# Altium PCB HIVE_BOARD_PCB ASCII REV Project_PCB_Rev.Project_SCH_Rev.PcbDoc (part 8 of 9) (continued)
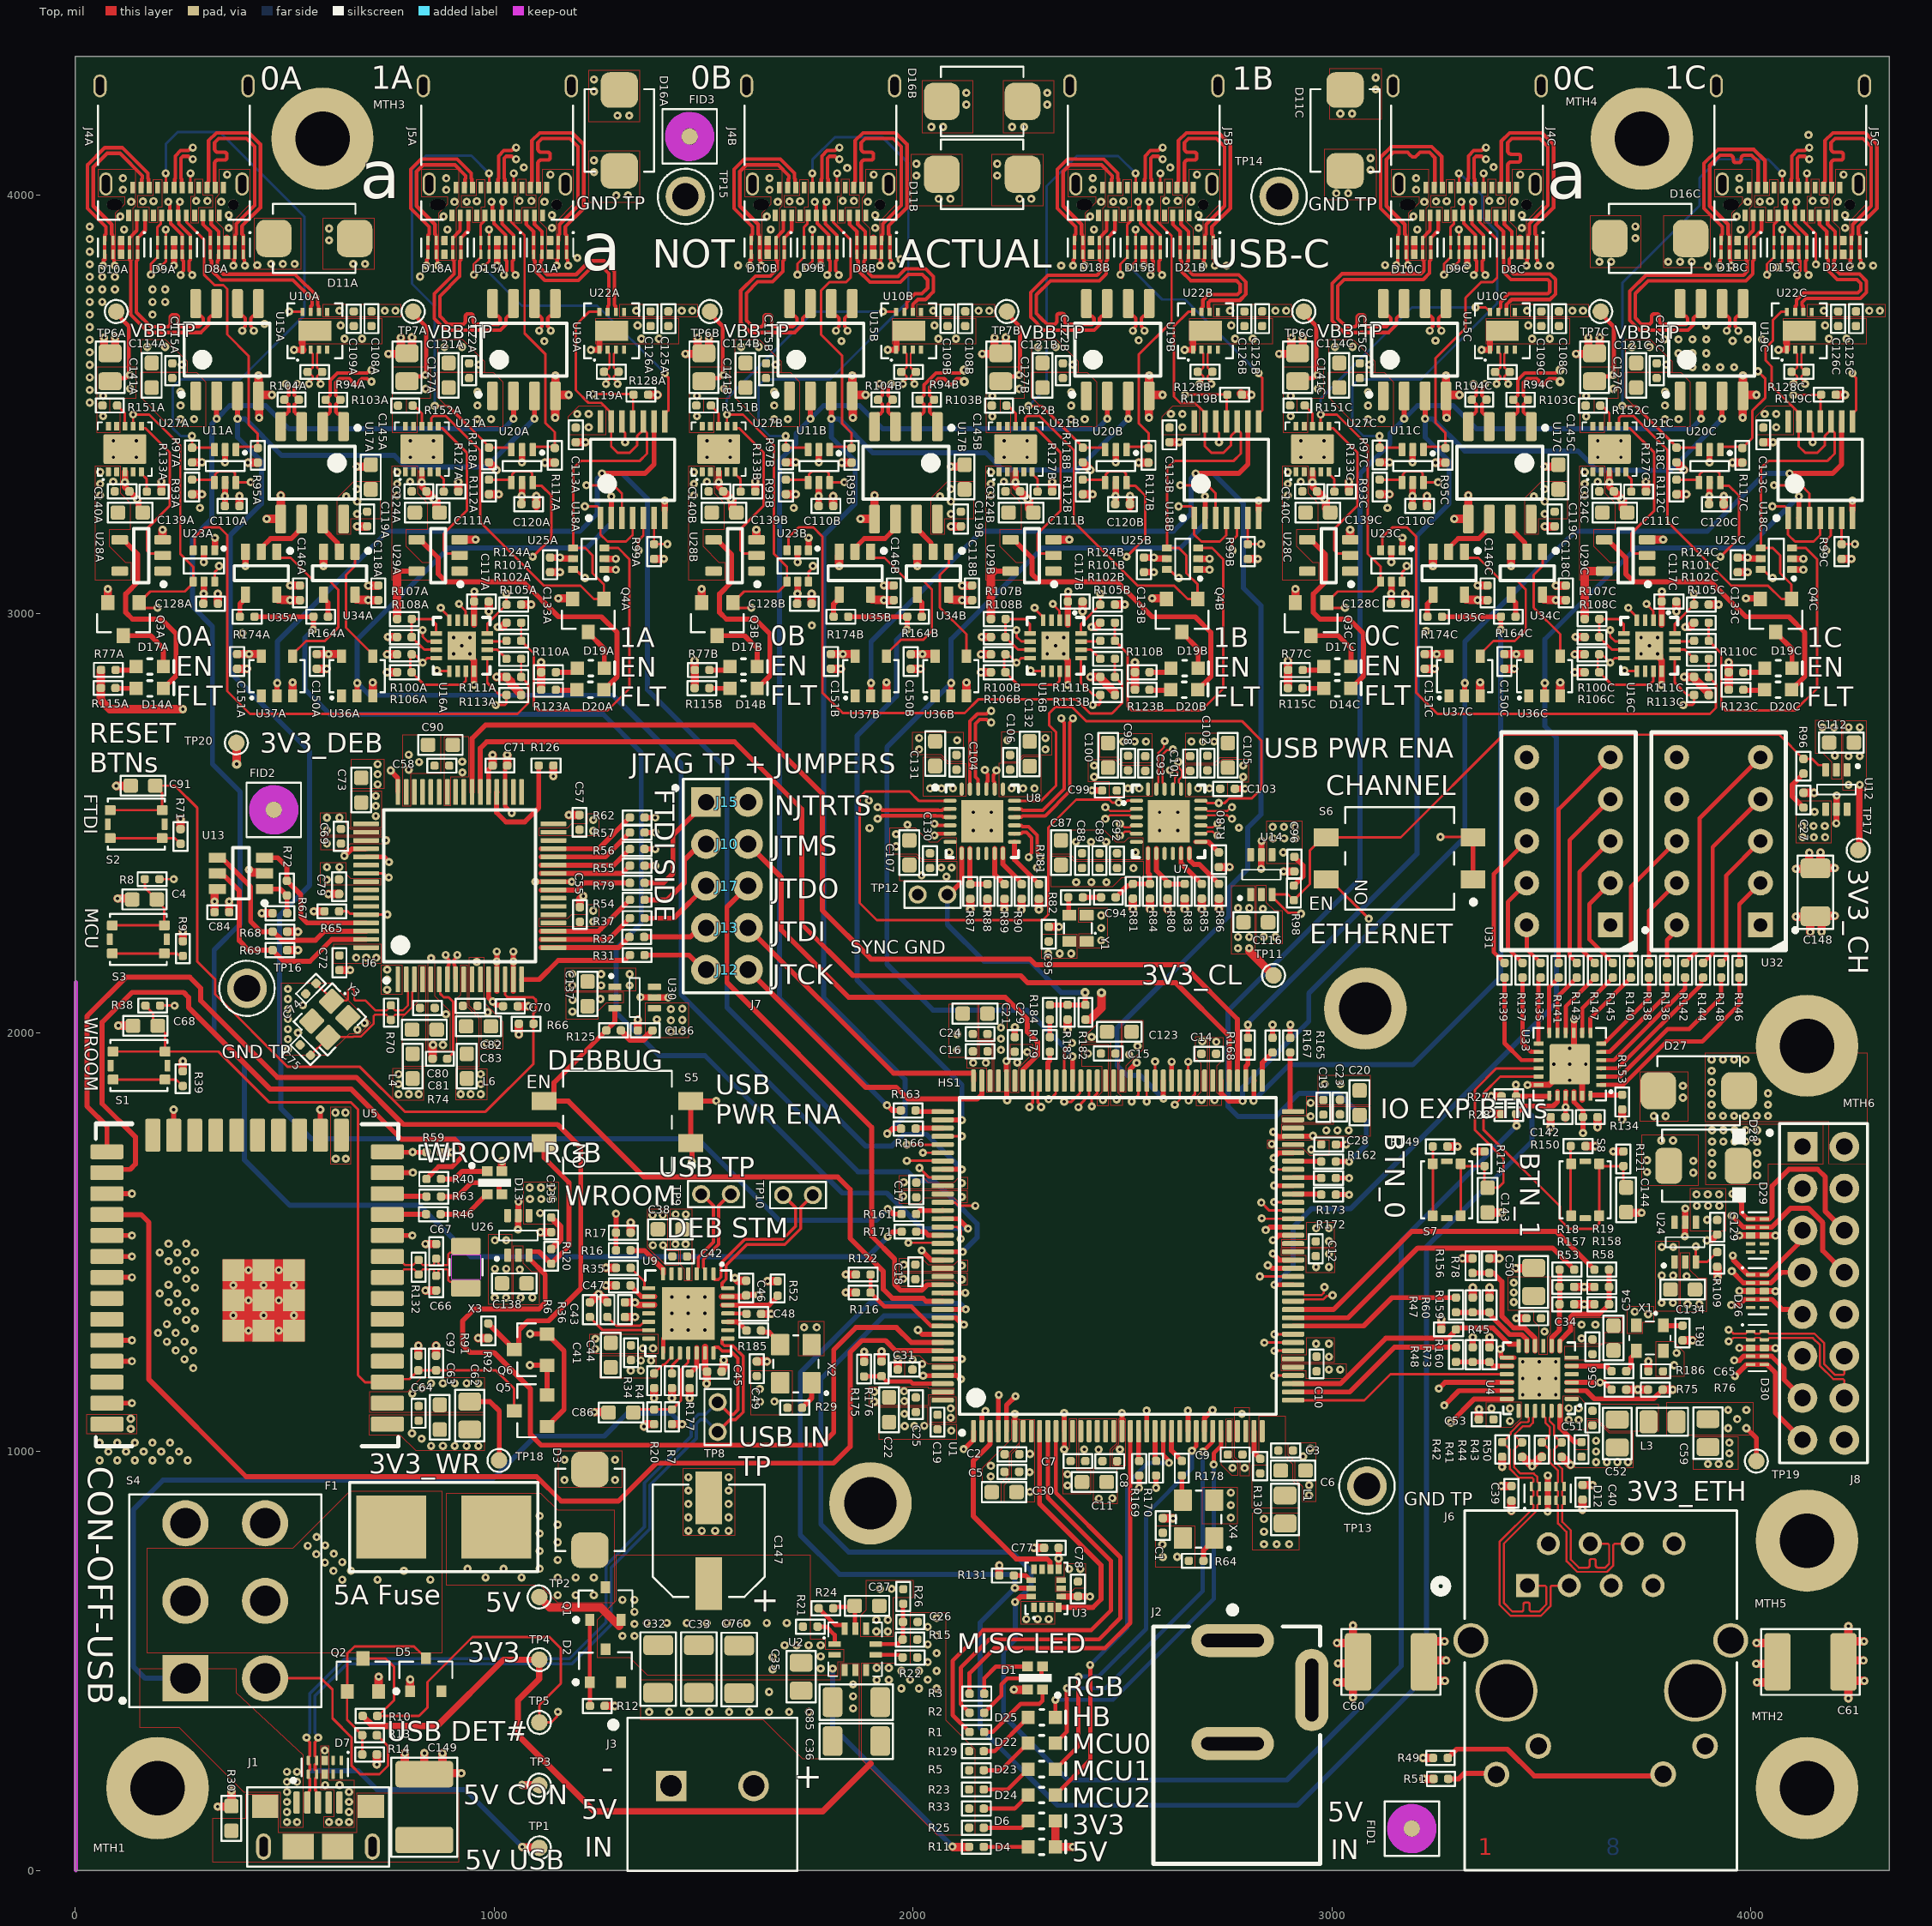
[diagram p0: Top view]
## Nets (pads, with @x,y where several pads share a name; then routed paths per layer and width w, separated by ;. In a path a pad name is that pad's centre, name@x,y a point inside that pad or via, vN(x,y) a via of type N, cw(c..) or ccw(c..) an arc to the next point about the centre after c; other vN are vias at no path point) (continued)
SYNC_1B_P: D18B.4 D18B.7 J5B.B2 U8.17 | length 4191.7
  Top w8.5: U8.17@2242.28,2533.98 2242.54,2533.72 2258.67,2533.72 2261.51,2530.88 2310.01,2530.88 2361.12,2582 2361.12,2739.82 2354.04,2746.9 v1(2354.04,2750.46) ; v1(2409.5,3830.92) 2408.3,3832.12 2408.3,3844.68 2405.51,3847.46 2405.51,3857.59 D18B.4@2405.51,3890.45 2405.2,3890.78 2405.2,3903.49 2402.42,3906.27 2402.42,3929.07 2358.36,3973.13 2358.36,4055.28 2374.41,4071.33 2449.69,4071.33 2475.53,4045.49 2475.53,4038.45 2474.09,4037.01 2474.09,4018.98 J5B.B2@2472.44,4017.33
  Signal_1 w5: v1(2354.04,2750.46) 2354.04,2753.14 2362.62,2761.71 2362.62,2775.11 2348.64,2789.09 2232.72,2789.09 2199.49,2822.32 2199.49,2936.86 2142.88,2993.47 2142.88,2995.69 2142.88,3035.23 cw(c2162.08,3035.23) 2162.08,3054.43 2322.22,3054.43 ccw(c2322.22,3063.13) 2330.92,3063.13 2330.92,3074.73 ccw(c2322.22,3074.73) 2322.22,3083.43 2161.03,3083.43 cw(c2161.03,3102.63) 2141.83,3102.63 2141.83,3114.23 cw(c2161.03,3114.23) 2161.03,3133.43 2322.22,3133.43 ccw(c2322.22,3142.13) 2330.92,3142.13 2330.92,3153.73 ccw(c2322.22,3153.73) 2322.22,3162.43 2161.03,3162.43 cw(c2161.03,3181.63) 2141.83,3181.63 2141.83,3193.23 cw(c2161.03,3193.23) 2161.03,3212.43 2322.22,3212.43 ccw(c2322.22,3221.13) 2330.92,3221.13 2330.92,3232.73 ccw(c2322.22,3232.73) 2322.22,3241.43 2162.08,3241.43 cw(c2162.08,3260.63) 2142.88,3260.63 2142.88,3268.38 2142.88,3408.97 2178.31,3444.4 2272.54,3444.4 2310.15,3444.4 cw(c2310.15,3425.2) 2329.35,3425.2 2329.35,3374.81 ccw(c2338.05,3374.81) 2338.05,3366.11 2349.65,3366.11 ccw(c2349.65,3374.81) 2358.35,3374.81 2358.35,3425.98 cw(c2377.55,3425.98) 2377.55,3445.18 2389.15,3445.18 cw(c2389.15,3425.98) 2408.35,3425.98 2408.35,3378.54 ccw(c2417.05,3378.54) 2417.05,3369.84 2428.65,3369.84 ccw(c2428.65,3378.54) 2437.35,3378.54 2437.35,3425.2 cw(c2456.55,3425.2) 2456.55,3444.4 2464.3,3444.4 2470.14,3444.4 2484.59,3458.85 2484.59,3494.7 2466.96,3512.33 2466.96,3604.26 2466.96,3612.01 ccw(c2460.06,3612.01) 2460.06,3618.91 2381.59,3618.91 cw(c2381.59,3636.31) 2364.19,3636.31 2364.19,3645.51 cw(c2381.59,3645.51) 2381.59,3662.91 2464.3,3662.91 ccw(c2464.3,3669.81) 2471.2,3669.81 2471.2,3679.01 ccw(c2464.3,3679.01) 2464.3,3685.91 2381.59,3685.91 cw(c2381.59,3703.31) 2364.19,3703.31 2364.19,3712.51 cw(c2381.59,3712.51) 2381.59,3729.91 2460.06,3729.91 ccw(c2460.06,3736.81) 2466.96,3736.81 2466.96,3759.51 2466.96,3764.52 2466.96,3767.02 ccw(c2459.46,3767.02) 2459.46,3774.52 2417.07,3774.52 cw(c2417.07,3782.02) 2409.57,3782.02 2409.57,3792.02 cw(c2417.07,3792.02) 2417.07,3799.52 2459.46,3799.52 ccw(c2459.46,3807.02) 2466.96,3807.02 2466.96,3821.06 2466.96,3836.92 2443.15,3860.72 2414.77,3860.72 2400.92,3846.87 2400.92,3841.19 2409.5,3832.62 v1(2409.5,3830.92)
SYNC_1C_N: D18C.5 D18C.6 J5C.B3 U8.14 | length 4191.5
  Top w8.5: U8.14@2242.28,2474.92 2242.54,2475.18 2258.67,2475.18 2261.51,2478.01 2270.78,2478.01 2283.29,2465.5 2283.29,2429.43 2276.21,2422.35 v1(2276.21,2418.79) ; v1(3925.16,3830.91) 3926.35,3832.11 3926.35,3844.67 3929.14,3847.45 D18C.6@3929.13,3857.58 D18C.5@3929.13,3890.45 3929.45,3890.77 3929.45,3903.48 3932.23,3906.26 3932.23,3923.47 3888.17,3967.53 3888.17,4074.81 3921.43,4108.07 4007.21,4108.07 4033.78,4081.51 4033.78,4018.97 J5C.B3@4035.43,4017.32
  Signal_1 w5: v1(2276.21,2418.79) 2276.21,2421.47 2284.79,2430.05 2284.79,2440.48 2296.86,2452.55 2333.86,2452.55 2359.49,2426.92 2359.49,2358.51 2393.98,2324.02 2456.59,2324.02 2515.6,2265 2963.4,2265 3307.15,2608.75 3849.75,2608.75 4270,3029 4270,3571.24 4212.29,3628.95 4159.02,3628.95 4141.92,3646.04 4056.83,3646.04 4032.46,3621.68 3940.49,3621.68 3914.47,3647.69 3914.47,3756.04 3933.73,3775.3 3933.73,3820.64 3925.16,3829.22 v1(3925.16,3830.91)
SYNC_1C_P: D18C.4 D18C.7 J5C.B2 U8.15 | length 4191.5
  Top w8.5: U8.15@2242.28,2494.61 2242.54,2494.35 2258.67,2494.35 2261.51,2491.51 2276.37,2491.51 2296.79,2471.1 2296.79,2429.43 2303.87,2422.35 v1(2303.87,2418.79) ; v1(3952.81,3830.91) 3951.61,3832.11 3951.61,3844.67 3948.83,3847.45 D18C.7@3948.82,3857.58 D18C.4@3948.82,3890.45 3948.51,3890.77 3948.51,3903.48 3945.73,3906.26 3945.73,3929.06 3901.67,3973.12 3901.67,4069.22 3927.03,4094.57 3949.78,4094.57 cw(c3949.78,4086.07) 3958.28,4086.07 3958.28,4082.31 ccw(c3963.83,4082.31) 3963.83,4076.76 3971.23,4076.76 ccw(c3971.23,4082.31) 3976.78,4082.31 3976.78,4086.07 cw(c3985.28,4086.07) 3985.28,4094.57 4001.62,4094.57 4017.4,4078.79 4017.4,4018.97 J5C.B2@4015.75,4017.32
  Signal_1 w5: v1(2303.87,2418.79) 2303.87,2421.47 2295.29,2430.05 2295.29,2436.13 2301.21,2442.05 2329.51,2442.05 2348.99,2422.57 2348.99,2354.16 2389.63,2313.52 2452.24,2313.52 2511.26,2254.5 2967.75,2254.5 3311.5,2598.25 3854.1,2598.25 4280.5,3024.65 4280.5,3575.59 4216.64,3639.45 4163.37,3639.45 4146.27,3656.54 4052.48,3656.54 4028.11,3632.18 3944.84,3632.18 3924.97,3652.04 3924.97,3751.69 3944.23,3770.95 3944.23,3820.64 3952.81,3829.22 v1(3952.81,3830.91)
USB_D_N: D7.5 D7.6 J1.2 TP8.1 U9.21 | length 1975.8
  Top w7.5: v1(552.65,317.42) 552.65,313.59 560.22,306.01 560.22,273.34 557.13,270.25 557.13,263.06 D7.5@556.94,262.87 556.94,255.69 560.26,252.37 560.54,252.37 560.54,240.5 560.26,240.5 556.94,237.19 D7.6@556.94,230 557.13,229.81 557.13,222.63 560.54,219.22 560.54,190.98 558.34,188.79 558.34,166.32 J1.2@554.33,162.31 ; U9.21@1523.72,1235.33 1523.72,1246.15 1526.78,1249.21 1535.5,1249.21 1544.57,1240.14 1564.81,1240.14 1582.22,1222.73 1582.22,1099.6 1571.28,1088.66 1563.03,1088.66 TP8.1@1533.84,1117.85
  Signal_1 w5: v1(552.65,317.42) v1@560.47,317.42
  Bottom w7.5: v1(552.65,317.42) 552.65,321.25 560.22,328.82 560.22,336.51 560.22,394.16 560.22,422.33 643.54,505.65 1180.57,505.65 1267.22,592.3 1267.22,728.39 1359.13,820.3 1359.13,925.07 1470.5,1036.44 1470.5,1071.47 1487.84,1088.81 1504.81,1088.81 TP8.1@1533.84,1117.85
USB_D_P: D7.4 D7.7 J1.3 TP8.2 U9.22 | length 1978.6
  Top w7.5: J1.3@579.92,162.31 575.91,166.32 575.91,188.79 573.38,191.32 573.38,219.56 576.44,222.63 576.44,229.81 D7.7@576.63,230 576.63,237.19 573.31,240.5 573.04,240.5 573.04,252.37 573.31,252.37 576.63,255.69 D7.4@576.63,262.87 576.44,263.06 576.44,270.25 572.72,273.97 572.72,306.01 580.3,313.59 v1(580.3,317.42) ; TP8.2@1533.84,1046.98 1563.03,1076.16 1576.46,1076.16 1594.72,1094.42 1594.72,1227.91 1569.99,1252.64 1549.75,1252.64 1544.34,1258.05 1544.34,1266.77 1547.4,1269.83 U9.22@1558.22,1269.83
  Bottom w7.5: v1(580.3,317.42) 580.3,321.25 572.72,328.82 572.72,417.15 648.72,493.15 1185.75,493.15 1279.72,587.12 1279.72,723.21 1371.63,815.12 1371.63,919.89 1483,1031.26 1483,1047 1483,1066.3 1492.87,1076.16 1504.66,1076.16 TP8.2@1533.84,1046.98
USB_DEBUG_N: TP9.2 U6.7 U9.2 | length 1938.9
  Top w7.5: v1(884.66,2185.48) 884.66,2181.65 892.23,2174.08 892.23,2162.1 890.4,2160.27 890.4,2128.63 U6.7@888.64,2126.87 ; U9.2@1503.72,1424.33 1503.72,1435.15 1499.97,1438.9 1499.97,1458.45 1536.17,1494.65 1536.17,1586.87 1563.82,1614.52 TP9.2@1565.36,1614.52
  Signal_1 w5: v1(884.66,2185.48) 884.66,2182.05 892.48,2174.23 892.48,2080.02 915.56,2056.95 915.56,1908.11 761.41,1753.97 761.41,1645.41 792.89,1613.93 1021.84,1613.93 1063.92,1656.02 1157.57,1656.02 1181.97,1631.61 1181.97,1542.62 1231.81,1492.78 1343.61,1492.78 1377.83,1527 1510.51,1527 1535.92,1552.41 1535.92,1611.59 1538.85,1614.52 TP9.2@1565.36,1614.52
USB_DEBUG_P: TP9.1 U6.8 U9.3 | length 1938.6
  Top w7.5: U6.8@908.33,2126.87 906.56,2128.63 906.56,2160.27 904.73,2162.1 904.73,2174.08 912.31,2181.65 v1(912.31,2185.48) ; U9.3@1483.72,1424.33 1483.72,1435.15 1487.47,1438.9 1487.47,1463.63 1523.67,1499.83 1523.67,1586.87 1496.02,1614.52 TP9.1@1494.49,1614.52
  Signal_1 w5: v1(912.31,2185.48) 912.31,2182.05 904.48,2174.23 904.48,2162.89 904.48,2148.91 ccw(c909.48,2148.91) 909.48,2143.91 923.76,2143.91 cw(c923.76,2139.41) 928.26,2139.41 928.26,2133.41 cw(c923.76,2133.41) 923.76,2128.91 909.48,2128.91 ccw(c909.48,2123.91) 904.48,2123.91 904.48,2106.41 904.48,2084.99 927.56,2061.92 927.56,1903.14 773.41,1749 773.41,1650.38 797.86,1625.93 1016.87,1625.93 1058.95,1668.02 1162.54,1668.02 1181.97,1648.58 1193.97,1636.58 1193.97,1547.59 1236.78,1504.78 1338.64,1504.78 1372.86,1539 1505.54,1539 1523.92,1557.38 1523.92,1611.59 1520.99,1614.52 TP9.1@1494.49,1614.52
USB_PWR_DET#: Q2.3 R10.2 S5.1 S5.2 S6.1 S6.2 TP5.1 U1.5 | length 7169.9
  Top w6: Q2.3@687.19,506.34 741.03,506.34 761.8,485.58 761.8,407.18 723.62,369 821.06,369 840.96,388.9 840.96,449.72 948.39,557.14 1132.54,557.14 1159.62,530.05 1159.62,446.58 1108,394.95 TP5.1@1108,353.56 ; TP5.1@1108.39,353.95 1137.02,353.95 1149.99,366.92 1149.99,376.12 v1(1152.61,378.74) ; v1(3258.9,2467.09) 3334.05,2467.09 3334.81,2467.85 S6.2@3336.7,2465.96
  Top w12: v1(1472.43,1691.49) 1472.43,1733.8 S5.1@1469.88,1736.34 S5.2@1469.88,1836.34 1529.54,1836.34 v1(1530.49,1837.29) ; U1.5@2223.47,1048.79 2223.47,1110.89 v1(2244.73,1132.15) ; S6.1@3336.7,2365.96 S6.2@3336.7,2465.96
  Signal_1 w6: v1(1530.49,1837.29) 1532.15,1835.64 1671.97,1835.64 1827.24,1680.37 1969.63,1680.37 1998.58,1651.42 2044.44,1651.42 2094.56,1701.54 2135.39,1701.54 2195.22,1641.71 2195.22,1181.65 v1(2244.73,1132.15) 2277.17,1132.15 2578.53,1433.5 2578.53,1861.8 2599.41,1882.68 2717.39,1882.68 2827.51,1992.8 2827.51,2058.24 3236.35,2467.09 v1(3258.9,2467.09)
  Signal_2 w6: v1(1152.61,378.74) 1152.76,378.74 1223.51,449.49 1820.93,449.49 1856.16,484.72 1856.16,720.22 1801.87,774.51 1588.13,988.25 1462.97,988.25 1196.08,1255.14 1196.08,1532.46 1292.82,1629.2 1410.14,1629.2 v1(1472.43,1691.49)
USB_STM_D_N: TP10.2 U1.100 U9.28 | length 1944.8
  Top w7.5: U9.28@1558.22,1389.83 1547.4,1389.83 1544.34,1392.88 1544.34,1401.6 1554.25,1411.51 1554.25,1444.8 1603.74,1494.29 1694.24,1494.29 1732.04,1532.09 1732.04,1583.1 TP10.2@1761.22,1612.28 ; U1.100@2302.21,1885.4 2300.05,1883.25 2300.05,1859.99 2298.25,1858.19 2298.25,1833.74 2305.83,1826.17 v1(2305.83,1822.34)
  Signal_1 w5: TP10.2@1761.22,1612.28 1734.72,1612.28 1731.79,1615.21 1731.79,1677.05 1678.1,1730.74 1673.86,1734.98 1662.61,1746.23 1458.1,1746.23 1418.99,1785.34 1418.99,1849.96 1445.33,1876.3 2075.63,1876.3 2167.16,1784.77 2187.75,1764.18 2275.88,1764.18 2298,1786.3 2298,1811.08 2305.83,1818.91 v1(2305.83,1822.34)
USB_STM_D_P: TP10.1 U1.101 U9.1 | length 1945
  Top w7.5: U9.1@1523.72,1424.33 1523.72,1413.5 1526.78,1410.44 1535.5,1410.44 1541.75,1416.69 1541.75,1449.98 1598.56,1506.79 1689.07,1506.79 1719.54,1537.26 1719.54,1583.1 TP10.1@1690.36,1612.28 ; v1(2278.17,1822.34) 2278.17,1826.17 2285.75,1833.74 2285.75,1858.19 2284.68,1859.26 2284.68,1883.25 U1.101@2282.53,1885.4
  Signal_1 w5: TP10.1@1690.36,1612.28 1716.86,1612.28 1719.79,1615.21 1719.79,1672.08 1668.89,1722.98 1661.13,1730.74 1657.64,1734.23 1453.13,1734.23 1406.99,1780.37 1406.99,1854.93 1440.36,1888.3 2080.6,1888.3 2184.13,1784.77 2192.72,1776.18 2228.49,1776.18 2230.99,1776.18 ccw(c2230.99,1781.18) 2235.99,1781.18 cw(c2240.49,1781.19) 2240.49,1785.69 2246.49,1785.69 cw(c2246.49,1781.19) 2250.99,1781.19 ccw(c2255.99,1781.18) 2255.99,1776.18 2270.91,1776.18 2286,1791.27 2286,1811.08 2278.17,1818.91 v1(2278.17,1822.34)
VCAP: C28.2 C29.2 C31.2 U1.68 U1.103 U1.140
  other v1: 2022,1209 1999,1219 2950.67,1721.04 2856.48,1734.11 2248.97,1928.67 2272.71,1953.99
VDDA: C3.2 C6.1 L1.2 R130.1 U1.36
VDDLDO: C20.2 C21.2 C22.2 C23.2 C24.2 C25.2 U1.70 U1.105 U1.143
  other v1: 1908.08,1119.3 1979.38,1120.55 1907.7,1142.76 1979,1144 2986.56,1766.83 3013.25,1766.83 3039.94,1766.83 2210,1958.63 2210,1985.31 2210,2012
VREGOUT_1V8: C70.1 C71.1 C72.1 C73.2 U6.12 U6.37 U6.49 U6.64 | length 180.3
  Top w12: U6.12@987.07,2126.87 987.07,2083.93 v1(997,2074) 997,2073.57 996.43,2073 1003.32,2066.11 1018.39,2066.11 C70.1@1021.5,2063 ; U6.37@987.07,2574.11 987.07,2627.89 C71.1@996.6,2637.43
  Top w20: C71.1@996.6,2637.43 v1(996.6,2663.07)
  other v1: 670.96,2178.78 694.96,2178.78 718.96,2178.78 718,2517 718,2541 718,2565
WR_PWR_EN: R120.2 S5.4 U1.137 U26.3 | length 2359.9
  Top w12: S5.4@1119.49,1736.34 1119.49,1701.64 1179.06,1642.07 1179.06,1490.92 1140.54,1452.4 R120.2@1136.54,1448.4 1107.94,1477 1085.46,1477 1083.58,1475.13 U26.3@1083.58,1468.81 1083.58,1460.94 1122,1422.52 1122,1355 1107.34,1340.34 953.6,1340.34 924.76,1311.49 924.76,1254.46 942.75,1236.47 1000.18,1236.47 1087.17,1149.48 1087.17,1040.76 1112.61,1015.33 1780.65,1015.33 1810.78,1045.46 1810.78,1243.26 1863.46,1295.94 1960.55,1295.94 1996.09,1260.4 U1.137@2070.91,1260.4
WROOM_LED_B: R40.2 U5.26 | length 1634.1
  Top w12: U5.26@76.06,1665.7 83.88,1673.53 131.22,1673.53 144,1686.31 144,1751.2 64.51,1830.69 64.51,2024.75 135.96,2096.2 259.19,2096.2 270.88,2084.51 270.88,2060.3 466.21,1864.97 659.31,1864.97 778.63,1745.65 906.26,1745.65 923,1728.91 923,1703.01 899.99,1680 867.99,1680 R40.2@838.69,1650.7
WROOM_LED_G: R46.2 U5.11 | length 92.7
  Top w12: U5.11@745.35,1565.7 745.81,1566.17 837.21,1566.17 R46.2@837.68,1566.63
WROOM_LED_R: R63.2 U5.12 | length 96.3
  Top w12: U5.12@745.35,1615.7 751.5,1609.55 837.81,1609.55 R63.2@838.69,1608.67
pads on no net: D2.2 D5.2 D7.1 D7.2 D7.9 D7.10 D26.5 D26.6 D29.4 D29.5 D29.6 D29.7 FID1.1 FID1.2 FID2.1 FID2.2 FID3.1 FID3.2 J1.4 J4A. J4B. J4C. J5A. J5B. J5C. J6.0 J6.7 MTH1.1 MTH2.1 MTH3.1 MTH4.1 S1.5 S1.6 S2.5 S2.6 S3.5 S3.6 S7.5 S7.6 S8.5 S8.6 U1.15 U1.26 U3.10 U3.11 U4.4 U5.4 U5.5 U5.6 U5.7 U5.17 U5.18 U5.19 U5.20 U5.21 U5.22 U5.24 U5.32 U5.33 U5.36 U6.21 U6.22 U6.23 U6.30 U6.32 U6.33 U6.34 U6.40 U6.41 U6.43 U6.44 U6.45 U6.46 U6.54 U6.57 U6.58 U6.59 U7.9 U7.10 U8.9 U8.10 U9.5 U9.6 U9.11 U9.23 U10A.4 U10B.4 U10C.4 U12.6 U14.6 U16A.3 U16A.10 U16B.3 U16B.10 U16C.3 U16C.10 U21A.4 U21B.4 U21C.4 U22A.4 U22B.4 U22C.4 U24.6 U26.6 U27A.4 U27B.4 U27C.4 U28A.1 U28B.1 U28C.1 U29A.1 U29B.1 U29C.1 U30.6 U31.7 U32.7 U36A.1 U36B.1 U36C.1 U37A.1 U37B.1 U37C.1

## Polygon pours and split planes (outlines as drawn)
GND on Top "NONET_L-01_P-001" (solid, pour order 622): 3740.26,1756.25 3873.84,1756.25 3873.84,1634.55 3740.26,1634.55
BB_VIN_0A on Top "NONET_L-01_P-001" (solid, pour order 470): 538.87,3821.61 428.62,3821.61 428.62,3944.88 538.87,3944.88
GND on Top "NONET_L-01_P-001" (solid, pour order 471): 714.12,3821.61 592.23,3821.61 592.23,3944.88 714.12,3944.88
5V on Top "NONET_L-01_P-001" (solid, pour order 640): 1697.5,467.26 1821,467.26 1821,498.93 1835.79,498.93 1835.79,527.7 1791.69,527.7 1791.69,551.93 1755.67,551.93 1755.67,752.1 1291.38,752.1 1291.38,643.39 1245.69,597.7 1245.69,509.18 1324.08,509.18 1366,467.26
3V3_CH on Top "NONET_L-01_P-001" (solid, pour order 768): 2008.32,3709 2195.39,3709 2195.39,3737.98 2008.32,3737.98
3V3_CH on Top "NONET_L-01_P-001" (solid, pour order 767): 591,3709 778.07,3709 778.07,3737.98 591,3737.98
3V3_CH on Top "NONET_L-01_P-001" (solid, pour order 766): 1299.66,3709 1486.73,3709 1486.73,3737.98 1299.66,3737.98
3V3_CH on Top "NONET_L-01_P-001" (solid, pour order 765): 2716.98,3709 2904.06,3709 2904.06,3737.98 2716.98,3737.98
3V3_CH on Top "NONET_L-01_P-001" (solid, pour order 764): 3425.65,3709 3612.72,3709 3612.72,3737.98 3425.65,3737.98
3V3_CH on Top "NONET_L-01_P-001" (solid, pour order 582): 4134.31,3709 4321.38,3709 4321.38,3737.98 4134.31,3737.98
GND on Top "GND_L01_P724" (solid, pour order 724): 653.98,1996.92 602.4,1945.33 493.2,1945.33 493.2,2118.2 610.8,2118.2 705.69,2023.3 679.3,1996.92
GND on Top "NONET_L-01_P-001" (solid, pour order 528): 1897.63,3846.01 1897.63,3918.69 1879.31,3937.01 1879.31,3993.03 1888,4001.72 1888,4060.87 1960.63,4060.87 1960.62,3977.04 1920.31,3936.73 1920.31,3846.01
GND on Top "NONET_L-01_P-001" (solid, pour order 760): 593.52,103.08 667.13,103.08 667.13,214.56 606.42,214.56 606.42,297.27 586,297.27 586,193.27 617.67,193.27 617.67,127.89 593.52,127.89
SHIELD_USB on Top "Top-SHIELD_USB" (solid, pour order 759): 328.22,20.19 916.72,20.19 916.72,184.04 671.88,184.04 671.88,90.52 485.6,90.52 485.6,181 406.52,181 406.53,123.86 328.22,123.86
5V_USB on Top "NONET_L-01_P-001" (solid, pour order 755): 489.97,124.43 489.97,103.24 544.89,103.24 544.89,275.44 384.76,423.43 384.76,480.69 153.64,480.69 153.64,341.78 248.32,341.78 403.1,187 489.98,187
NetF1_1 on Top "NONET_L-01_P-001" (solid, pour order 752): 172.74,769.86 520.11,769.85 656.54,906.29 875.61,906.29 875.61,519.22 172.74,519.22
5V on Top "NONET_L-01_P-001" (solid, pour order 618): 4186.08,1686.45 4186.07,1786.79 3892,1786.79 3892,1952.1 4277.56,1952.1 4277.56,1685.31
GND on Top "NONET_L-01_P-001" (solid, pour order 743): 2895,1020.3 2895,992.53 2911,976.53 2911,935 2929.18,916.82 2929.18,881.78 2961.79,881.78 2961.79,1020.3
3V3 on Top "NONET_L-01_P-001" (solid, pour order 742): 2493,1857.76 2493,1928 2501,1936 2501,2029.66 2548.29,2029.66 2548.29,1960.25 2507.84,1919.79 2507.84,1857.76
GND on Top "NONET_L-01_P-001" (solid, pour order 741): 2471.81,1825.73 2471.81,1977.2 2411.63,1977.2 2411.63,1993.23 2448.06,2029.66 2496.94,2029.66 2496.94,1939.23 2488.15,1930.44 2488.15,1857.76 2499.56,1846.35 2499.56,1825.73
3V3 on Top "NONET_L-01_P-001" (solid, pour order 740): 2467.26,1825.73 2467.26,1971.69 2402.28,1971.69 2402.28,1920 2450.91,1920 2450.91,1857.76 2439.51,1846.35 2439.51,1825.73
3V3_CL on Top "NONET_L-01_P-001" (solid, pour order 671): 2204.9,2563.35 2306.67,2563.35 2306.67,2599.01 2306.67,2658.16 2264.74,2658.16 2249.33,2642.74 2204.9,2642.74 2204.9,2601.9
GND on Top "NONET_L-01_P-001" (solid, pour order 739): 2703.48,1825.73 2703.48,1989.93 2673.26,1989.93 2673.26,1940.86 2687.14,1926.98 2687.13,1857.76 2675.73,1846.35 2675.73,1825.73
3V3 on Top "NONET_L-01_P-001" (solid, pour order 738): 2708.03,1825.73 2708.03,1988.97 2739.79,1988.97 2739.79,1935.42 2724.37,1920 2724.37,1857.76 2735.78,1846.35 2735.78,1825.73
VCAP on Top "NONET_L-01_P-001" (solid, pour order 737): 2846.36,1744.35 2993.05,1744.35 2993.05,1706.08 2947.76,1706.08 2930.22,1723.62 2846.36,1723.62
VCAP on Top "NONET_L-01_P-001" (solid, pour order 736): 2232.98,1856.25 2232.98,1972.53 2286.26,1972.53 2286.26,1950.26 2252.17,1916.17 2252.17,1856.25 2250.09,1856.25
VCAP on Top "NONET_L-01_P-001" (solid, pour order 735): 2100.8,1179.02 1981.26,1179.02 1981.26,1229 2015.45,1229 2034.64,1209.8 2100.8,1209.8
GND on Top "NONET_L-01_P-001" (solid, pour order 732): 27.58,1089.52 146.51,1089.52 146.51,1042.04 27.58,1042.04
GND on Top "NONET_L-01_P-001" (solid, pour order 731): 610.18,1685.23 610.18,1822.59 657.65,1822.59 657.65,1685.23
NetD3_1 on Top "NONET_L-01_P-001" (solid, pour order 730): 887.13,901.11 1111.22,901.11 1151.62,860.72 1286.63,860.72 1286.63,638.95 1152.62,638.95 1110.86,680.72 887.13,680.72
GND on Top "NONET_L-01_P-001" (solid, pour order 729): 1787.41,1311.33 1787.41,1228.39 1726.84,1228.39 1726.84,1311.33
GND on Top "NONET_L-01_P-001" (solid, pour order 727): 1451.16,799.07 1451.16,959.92 1574.81,959.92 1574.81,799.07
GND on Top "NONET_L-01_P-001" (solid, pour order 726): 1153.74,913.78 1153.74,1002.48 1305.12,1002.48 1305.12,913.78
VREGOUT_1V8 on Top "NONET_L-01_P-001" (solid, pour order 725): 617.09,2165.07 617.09,2212 730.31,2212 730.31,2165.07
3V3_DEB on Top "NONET_L-01_P-001" (solid, pour order 723): 908.82,1839.44 908.82,1914.27 983.12,1914.27 983.12,1839.44
3V3_DEB on Top "NONET_L-01_P-001" (solid, pour order 722): 832.02,1839.44 832.02,1914.27 757.72,1914.27 757.72,1839.44
GND on Top "NONET_L-01_P-001" (solid, pour order 721): 940,2179.31 940,2065 969,2036 969,1960.65 1022,1960.65 1022,2026 976.69,2071.31 976.69,2179.31
GND on Top "NONET_L-01_P-001" (solid, pour order 720): 731.37,2162.1 780,2162.1 780,2091.05 731.37,2091.05
GND on Top "NONET_L-01_P-001" (solid, pour order 719): 842,2181.98 842,1958.23 895.68,1958.23 895.68,2049.58 858.83,2086.43 858.83,2181.98
NetC80_1 on Top "NONET_L-01_P-001" (solid, pour order 718): 837,2160.14 837,1919.19 781.69,1919.19 781.69,2037.16 819.79,2075.26 819.79,2160.14
NetC82_1 on Top "NONET_L-01_P-001" (solid, pour order 717): 919,2160.14 919,2089 910.47,2080.47 910.47,1919.19 964.48,1919.19 964.48,2034.11 937,2061.59 937,2160.14
GND on Top "NONET_L-01_P-001" (solid, pour order 716): 1874.53,559.24 1952.75,559.24 1952.75,652.16 2001.2,652.16 2001.2,692.27 1887.63,692.27 1887.63,621.19 1874.53,608.09
3V3_DEB on Top "NONET_L-01_P-001" (solid, pour order 715): 729.64,2352.43 585.71,2352.43 585.71,2406.6 646.15,2406.6 646.15,2379.74 658,2367.89 729.64,2367.89
GND on Top "NONET_L-01_P-001" (solid, pour order 714): 749.23,2466.67 585.71,2466.67 585.71,2437 613.41,2437 643,2437 657,2451 749.23,2451
3V3_DEB on Top "NONET_L-01_P-001" (solid, pour order 713): 729.64,2470.54 585.71,2470.54 585.71,2524.71 646.15,2524.71 646.15,2497.85 658,2486 729.64,2486
3V3_DEB on Top "NONET_L-01_P-001" (solid, pour order 712): 1106.7,2470.54 1250.62,2470.54 1250.62,2521.85 1222.93,2521.85 1222.93,2497.85 1184.87,2497.85 1175.3,2488.28 1106.7,2488.29
GND on Top "NONET_L-01_P-001" (solid, pour order 711): 737.59,2582.01 659.4,2582.01 659.4,2653.07 737.59,2653.07
VREGOUT_1V8 on Top "NONET_L-01_P-001" (solid, pour order 710): 658.01,2489.29 658.01,2576.89 730.77,2576.89 730.77,2489.29
GND on Top "NONET_L-01_P-001" (solid, pour order 709): 872.61,2617.86 800.94,2617.86 800.94,2539.85 782.23,2539.85 782.23,2711.11 872.61,2711.11
3V3_DEB on Top "NONET_L-01_P-001" (solid, pour order 708): 881.22,2541.73 881.22,2706.62 938.48,2706.62 938.48,2609.42 896,2609.42 896,2541.73
3V3_DEB on Top "NONET_L-01_P-001" (solid, pour order 707): 1106.7,2254 1250.62,2254 1250.62,2305.32 1222.93,2305.32 1222.93,2281.32 1184.87,2281.32 1175.3,2271.75 1106.7,2271.75
GND on Top "NONET_L-01_P-001" (solid, pour order 706): 1309.45,2096.14 1170.84,2096.14 1170.84,2032.86 1248.68,2032.86 1248.68,2051.95 1268.77,2072.04 1309.45,2072.04
3V3_DEB on Top "NONET_L-01_P-001" (solid, pour order 705): 1338,2099.5 1170.45,2099.5 1170.45,2154.51 1338,2154.51
3V3 on Top "NONET_L-01_P-001" (solid, pour order 704): 1362.03,2071.35 1463.69,2071.35 1463.69,1987.61 1362.03,1987.61
GND on Top "NONET_L-01_P-001" (solid, pour order 703): 702.64,1088 976.94,1088 976.94,1002 813.71,1002 776.69,1039.01 702.64,1039.01
3V3_WR on Top "NONET_L-01_P-001" (solid, pour order 702): 702.64,1094 977.42,1094 977.42,1175.85 826.69,1175.85 793.24,1142.39 702.64,1142.39
GND on Top "NONET_L-01_P-001" (solid, pour order 701): 1045.73,1489.91 1045.73,1351.31 1109.01,1351.31 1109.01,1429.15 1089.92,1429.15 1069.84,1449.24 1069.84,1489.91
3V3_WR on Top "NONET_L-01_P-001" (solid, pour order 700): 1042.37,1518.47 1042.37,1350.91 987.36,1350.91 987.36,1518.47
3V3 on Top "NONET_L-01_P-001" (solid, pour order 699): 1070.52,1542.5 1070.52,1644.16 1154.26,1644.16 1154.26,1542.5
GND on Top "NONET_L-01_P-001" (solid, pour order 698): 1441.42,1479 1415,1479 1415,1578.69 1366.21,1578.69 1366.21,1488.57 1409.52,1445.26 1441.42,1445.26
3V3 on Top "NONET_L-01_P-001" (solid, pour order 697): 1473.12,1407.86 1473.12,1578.69 1420,1578.69 1420,1482.83 1444,1482.83 1444,1446 1453.57,1436.43 1453.57,1407.86
GND on Top "NONET_L-01_P-001" (solid, pour order 696): 1252.93,1229 1386.3,1229 1386.3,1175.01 1252.93,1175.01
3V3 on Top "NONET_L-01_P-001" (solid, pour order 695): 1228.99,1280.93 1391.73,1280.93 1391.73,1233.74 1228.99,1233.74
3V3 on Top "NONET_L-01_P-001" (solid, pour order 693): 1613.61,1193.25 1711.49,1193.25 1711.49,1086.58 1613.61,1086.58
GND on Top "NONET_L-01_P-001" (solid, pour order 692): 2085.12,1941.73 2154.34,1941.73 2154.34,2067.45 2085.12,2067.45
VDDLDO on Top "NONET_L-01_P-001" (solid, pour order 617): 2880.88,1782 3004,1782 3004,1823.68 3091.55,1823.68 3091.55,1752.06 2880.88,1752.06
3V3 on Top "NONET_L-01_P-001" (solid, pour order 611): 2880.87,1786 2999,1786 2999,1823 2961,1823 2961,1847.5 2938.71,1847.5 2938.71,1801.1 2880.71,1801.1
VDDLDO on Top "NONET_L-01_P-001" (solid, pour order 690): 2194,1858.76 2194,1983.88 2157.76,1983.88 2157.76,2069.43 2223.94,2069.43 2223.94,1858.76
3V3 on Top "NONET_L-01_P-001" (solid, pour order 689): 2190,1858.75 2190,1976.88 2157.51,1976.88 2157.51,1938.88 2128.5,1938.88 2128.5,1916.23 2174.81,1916.23 2174.81,1858.59
3V3 on Top "NONET_L-01_P-001" (solid, pour order 688): 2130.59,1622.31 1966.38,1622.31 1966.38,1592.09 2015.46,1592.09 2029.33,1605.96 2098.56,1605.96 2109.96,1594.55 2130.59,1594.55
GND on Top "NONET_L-01_P-001" (solid, pour order 687): 2130.59,1626.85 1967.35,1626.85 1967.35,1658.61 2020.9,1658.61 2036.31,1643.2 2098.56,1643.2 2109.96,1654.6 2130.59,1654.6
3V3 on Top "NONET_L-01_P-001" (solid, pour order 684): 2130.59,1425.46 1966.38,1425.46 1966.38,1395.24 2015.46,1395.24 2029.33,1409.11 2098.56,1409.11 2109.96,1397.7 2130.59,1397.7
GND on Top "NONET_L-01_P-001" (solid, pour order 683): 2130.59,1430 1967.35,1430 1967.35,1461.76 2020.9,1461.76 2036.31,1446.35 2098.56,1446.35 2109.96,1457.75 2130.59,1457.75
GND on Top "NONET_L-01_P-001" (solid, pour order 681): 1919.75,1106 2035.12,1106 2035.12,1066.01 2103.94,1066.01 2103.94,1028.54 1919.75,1028.54
VDDLDO on Top "NONET_L-01_P-001" (solid, pour order 680): 2097.55,1135 2036,1135 2036,1110 1895.56,1110 1895.56,1154.93 2036,1154.93 2036,1151.39 2097.55,1151.39
3V3 on Top "NONET_L-01_P-001" (solid, pour order 679): 2103.78,1130 2040,1130 2040,1070.52 2058.65,1070.52 2103.94,1070.52 2103.94,1115.63
3V3_CH on Top "NONET_L-01_P-001" (solid, pour order 678): 2991.71,3575.52 3124.72,3575.52 3146.43,3553.81 3146.43,3446.05 3061.86,3446.05 2991.71,3516.2
GND on Top "NONET_L-01_P-001" (solid, pour order 676): 2331.84,2717.01 2211.42,2717.01 2211.42,2646.92 2246.98,2646.92 2263.06,2663 2331.84,2663
GND on Top "NONET_L-01_P-001" (solid, pour order 675): 1999.22,2717.01 2119.64,2717.01 2119.64,2646.92 2084.08,2646.92 2068,2663 1999.22,2663
GND on Top "Top-GND" (solid, pour order 674): 1968.09,2361.98 1968.09,2421.96 2006.04,2421.96 2018.51,2409.49 2104.42,2409.49 2104.42,2361.98
3V3_CL on Top "Top-3V3_CL" (solid, pour order 673): 1943.82,2488.59 1943.82,2426.87 2008.64,2426.87 2021.73,2413.77 2105.06,2413.77 2105.06,2454.31 2105.06,2464.69 2068.89,2464.69 2058.5,2454.31 2040.42,2454.31 2006.14,2488.59
3V3_CL on Top "NONET_L-01_P-001" (solid, pour order 672): 2126.12,2563.35 2024.35,2563.35 2024.35,2599.01 2024.35,2658.16 2066.28,2658.16 2081.69,2642.74 2126.12,2642.74 2126.12,2601.9
GND on Top "Top-GND 1" (solid, pour order 669): 2330,2347.42 2330,2421.96 2372.04,2421.96 2384.51,2409.49 2549.3,2409.49 2549.3,2368.96 2497.69,2368.96 2476.16,2347.42
3V3_CL on Top "NONET_L-01_P-001" (solid, pour order 667): 2816.09,2350.9 2816.09,2187.66 2761.08,2187.66 2761.08,2350.9
GND on Top "NONET_L-01_P-001" (solid, pour order 668): 2819.44,2350.9 2819.44,2212.3 2882.72,2212.3 2882.72,2290.14 2863.64,2290.14 2843.55,2310.23 2843.55,2350.9
3V3 on Top "NONET_L-01_P-001" (solid, pour order 666): 2844.23,2403.49 2844.23,2505.15 2927.98,2505.15 2927.98,2403.49
GND on Top "NONET_L-01_P-001" (solid, pour order 665): 2395.7,2297.51 2463.92,2297.51 2463.92,2201.64 2396.53,2201.64 2396.53,2236.44 2427.91,2236.44 2427.91,2263.06 2395.7,2263.06
3V3_CL on Top "NONET_L-01_P-001" (solid, pour order 663): 2307.49,2235.26 2391.21,2235.26 2391.21,2176.89 2307.49,2176.89
3V3_CL on Top "Top-3V3_CL 1" (solid, pour order 662): 2331,2482.93 2331,2426.87 2374.36,2426.87 2387.46,2413.77 2549.93,2413.77 2549.93,2454.31 2549.93,2464.69 2513.77,2464.69 2503.38,2454.31 2485.3,2454.31 2456.68,2482.93